# KiCad board Kimiro.kicad_pcb (continued)
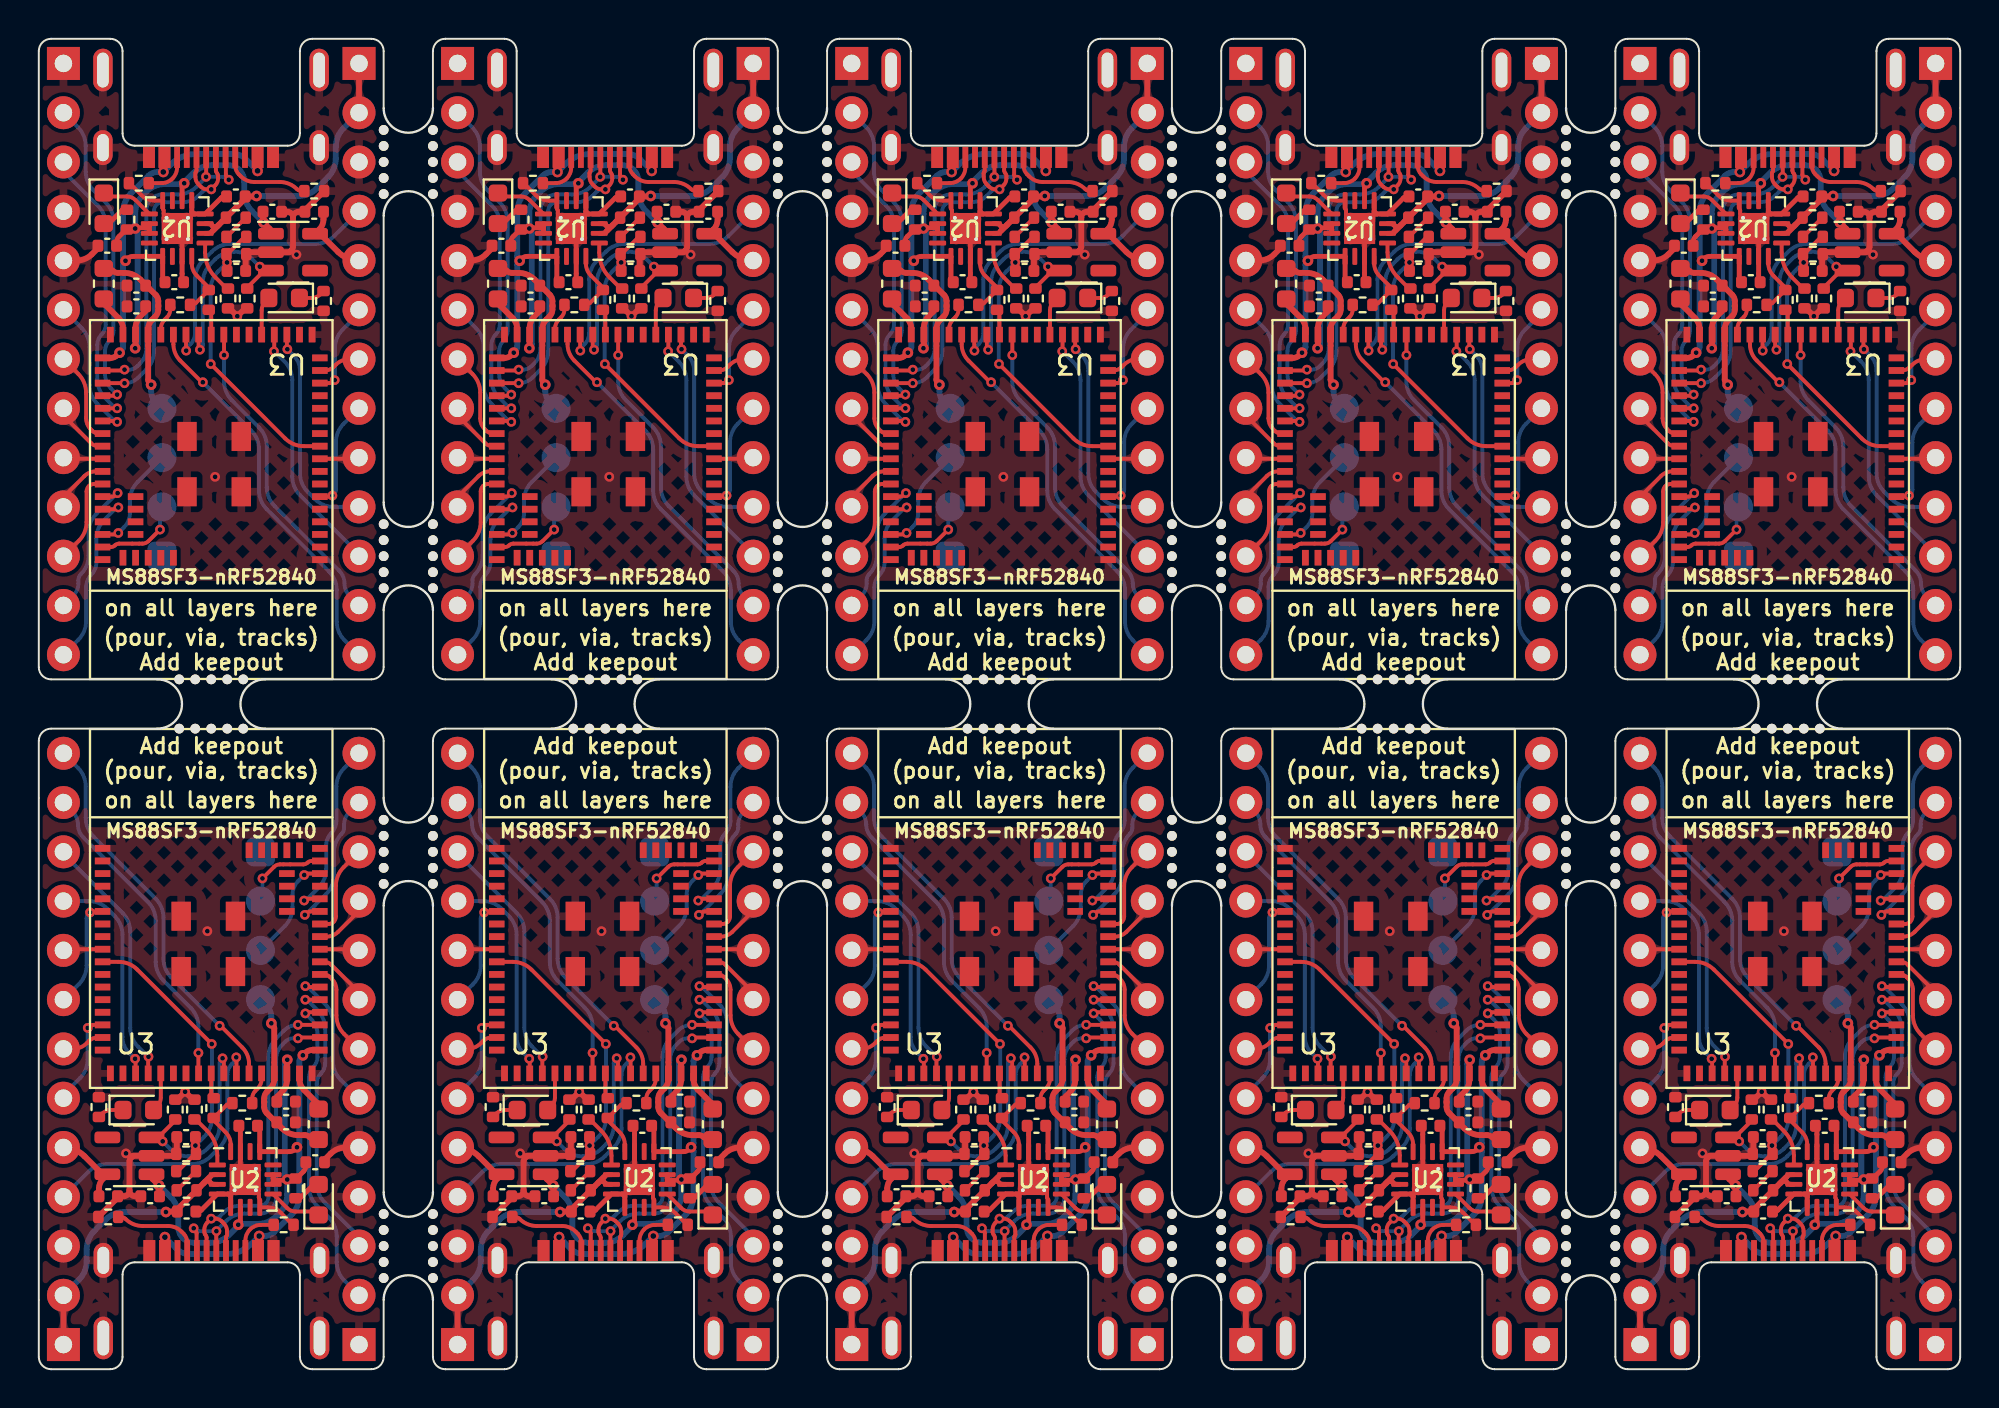
[diagram p0: board, top side]
## Routing (per net, layer and track width the routed paths; a pad name or vN(x,y) marks a point on that pad's centre or on a via; arc(x,y) is an arc through that point) (continued)

## Copper pours and planes (outline as drawn; the poured copper is in the pictures)
GND on Top, Bottom: 80.01,34.29 100.33,34.29 100.33,-1.27 80.01,-1.27
GND on Top, Bottom: -1.27,34.29 19.05,34.29 19.05,-1.27 -1.27,-1.27
GND on Top, Bottom: 80.01,34.29 59.69,34.29 59.69,69.85 80.01,69.85
GND on Top, Bottom: 19.05,34.29 -1.27,34.29 -1.27,69.85 19.05,69.85
GND on Top, Bottom: 59.69,34.29 80.01,34.29 80.01,-1.27 59.69,-1.27
GND on Top, Bottom: 19.05,34.29 39.37,34.29 39.37,-1.27 19.05,-1.27
GND on Top, Bottom: 39.37,34.29 19.05,34.29 19.05,69.85 39.37,69.85
GND on Top, Bottom: 100.33,34.29 80.01,34.29 80.01,69.85 100.33,69.85
GND on Top, Bottom: 39.37,34.29 59.69,34.29 59.69,-1.27 39.37,-1.27
GND on Top, Bottom: 59.69,34.29 39.37,34.29 39.37,69.85 59.69,69.85
VBAT on Top: 77.62,65.79 77.62,65.9 77.63,66.01 77.64,66.11 77.66,66.2 77.68,66.29 77.7,66.36 77.73,66.42 77.75,66.47 77.78,66.51 77.81,66.53 77.47,67.73 77.13,66.53 77.16,66.51 77.19,66.47 77.21,66.42 77.24,66.36 77.26,66.29 77.28,66.2 77.3,66.11 77.31,66.01 77.32,65.9 77.32,65.79
VBAT on Top: 16.66,65.79 16.66,65.9 16.67,66.01 16.68,66.11 16.7,66.2 16.72,66.29 16.74,66.36 16.77,66.42 16.79,66.47 16.82,66.51 16.85,66.53 16.51,67.73 16.17,66.53 16.2,66.51 16.23,66.47 16.25,66.42 16.28,66.36 16.3,66.29 16.32,66.2 16.34,66.11 16.35,66.01 16.36,65.9 16.36,65.79
VBAT on Top: 21.74,2.29 21.74,2.4 21.75,2.51 21.76,2.61 21.78,2.7 21.8,2.79 21.82,2.86 21.85,2.92 21.87,2.97 21.9,3.01 21.93,3.03 21.59,4.23 21.25,3.03 21.28,3.01 21.31,2.97 21.33,2.92 21.36,2.86 21.38,2.79 21.4,2.7 21.42,2.61 21.43,2.51 21.44,2.4 21.44,2.29
VBAT on Top: 82.4,2.79 82.4,2.68 82.39,2.57 82.38,2.47 82.36,2.38 82.34,2.29 82.32,2.22 82.29,2.16 82.27,2.11 82.24,2.07 82.21,2.05 82.55,0.84 82.89,2.05 82.86,2.07 82.83,2.11 82.81,2.16 82.78,2.22 82.76,2.29 82.74,2.38 82.72,2.47 82.71,2.57 82.7,2.68 82.7,2.79
VBAT on Top: 57.3,65.79 57.3,65.9 57.31,66.01 57.32,66.11 57.34,66.2 57.36,66.29 57.38,66.36 57.41,66.42 57.43,66.47 57.46,66.51 57.49,66.53 57.15,67.73 56.81,66.53 56.84,66.51 56.87,66.47 56.89,66.42 56.92,66.36 56.94,66.29 56.96,66.2 56.98,66.11 56.99,66.01 57,65.9 57,65.79
VBAT on Top: 77.32,66.29 77.32,66.18 77.31,66.07 77.3,65.97 77.28,65.88 77.26,65.79 77.24,65.72 77.21,65.66 77.19,65.61 77.16,65.57 77.13,65.55 77.47,64.34 77.81,65.55 77.78,65.57 77.75,65.61 77.73,65.66 77.7,65.72 77.68,65.79 77.66,65.88 77.64,65.97 77.63,66.07 77.62,66.18 77.62,66.29
VBAT on Top: 57,66.29 57,66.18 56.99,66.07 56.98,65.97 56.96,65.88 56.94,65.79 56.92,65.72 56.89,65.66 56.87,65.61 56.84,65.57 56.81,65.55 57.15,64.34 57.49,65.55 57.46,65.57 57.43,65.61 57.41,65.66 57.38,65.72 57.36,65.79 57.34,65.88 57.32,65.97 57.31,66.07 57.3,66.18 57.3,66.29
VBAT on Top: 21.44,2.79 21.44,2.68 21.43,2.57 21.42,2.47 21.4,2.38 21.38,2.29 21.36,2.22 21.33,2.16 21.31,2.11 21.28,2.07 21.25,2.05 21.59,0.84 21.93,2.05 21.9,2.07 21.87,2.11 21.85,2.16 21.82,2.22 21.8,2.29 21.78,2.38 21.76,2.47 21.75,2.57 21.74,2.68 21.74,2.79
VBAT on Top: 1.12,2.79 1.12,2.68 1.11,2.57 1.1,2.47 1.08,2.38 1.06,2.29 1.04,2.22 1.01,2.16 0.99,2.11 0.96,2.07 0.93,2.05 1.27,0.84 1.61,2.05 1.58,2.07 1.55,2.11 1.53,2.16 1.5,2.22 1.48,2.29 1.46,2.38 1.44,2.47 1.43,2.57 1.42,2.68 1.42,2.79
VBAT on Top: 42.06,2.29 42.06,2.4 42.07,2.51 42.08,2.61 42.1,2.7 42.12,2.79 42.14,2.86 42.17,2.92 42.19,2.97 42.22,3.01 42.25,3.03 41.91,4.23 41.57,3.03 41.6,3.01 41.63,2.97 41.65,2.92 41.68,2.86 41.7,2.79 41.72,2.7 41.74,2.61 41.75,2.51 41.76,2.4 41.76,2.29
VBAT on Top: 62.08,2.79 62.08,2.68 62.07,2.57 62.06,2.47 62.04,2.38 62.02,2.29 62,2.22 61.97,2.16 61.95,2.11 61.92,2.07 61.89,2.05 62.23,0.84 62.57,2.05 62.54,2.07 62.51,2.11 62.49,2.16 62.46,2.22 62.44,2.29 62.42,2.38 62.4,2.47 62.39,2.57 62.38,2.68 62.38,2.79
VBAT on Top: 36.68,66.29 36.68,66.18 36.67,66.07 36.66,65.97 36.64,65.88 36.62,65.79 36.6,65.72 36.57,65.66 36.55,65.61 36.52,65.57 36.49,65.55 36.83,64.34 37.17,65.55 37.14,65.57 37.11,65.61 37.09,65.66 37.06,65.72 37.04,65.79 37.02,65.88 37,65.97 36.99,66.07 36.98,66.18 36.98,66.29
VBAT on Top: 62.38,2.29 62.38,2.4 62.39,2.51 62.4,2.61 62.42,2.7 62.44,2.79 62.46,2.86 62.49,2.92 62.51,2.97 62.54,3.01 62.57,3.03 62.23,4.23 61.89,3.03 61.92,3.01 61.95,2.97 61.97,2.92 62,2.86 62.02,2.79 62.04,2.7 62.06,2.61 62.07,2.51 62.08,2.4 62.08,2.29
VBAT on Top: 82.7,2.29 82.7,2.4 82.71,2.51 82.72,2.61 82.74,2.7 82.76,2.79 82.78,2.86 82.81,2.92 82.83,2.97 82.86,3.01 82.89,3.03 82.55,4.23 82.21,3.03 82.24,3.01 82.27,2.97 82.29,2.92 82.32,2.86 82.34,2.79 82.36,2.7 82.38,2.61 82.39,2.51 82.4,2.4 82.4,2.29
VBAT on Top: 1.42,2.29 1.42,2.4 1.43,2.51 1.44,2.61 1.46,2.7 1.48,2.79 1.5,2.86 1.53,2.92 1.55,2.97 1.58,3.01 1.61,3.03 1.27,4.23 0.93,3.03 0.96,3.01 0.99,2.97 1.01,2.92 1.04,2.86 1.06,2.79 1.08,2.7 1.1,2.61 1.11,2.51 1.12,2.4 1.12,2.29
VBAT on Top: 36.98,65.79 36.98,65.9 36.99,66.01 37,66.11 37.02,66.2 37.04,66.29 37.06,66.36 37.09,66.42 37.11,66.47 37.14,66.51 37.17,66.53 36.83,67.73 36.49,66.53 36.52,66.51 36.55,66.47 36.57,66.42 36.6,66.36 36.62,66.29 36.64,66.2 36.66,66.11 36.67,66.01 36.68,65.9 36.68,65.79
VBAT on Top: 97.94,65.79 97.94,65.9 97.95,66.01 97.96,66.11 97.98,66.2 98,66.29 98.02,66.36 98.05,66.42 98.07,66.47 98.1,66.51 98.13,66.53 97.79,67.73 97.45,66.53 97.48,66.51 97.51,66.47 97.53,66.42 97.56,66.36 97.58,66.29 97.6,66.2 97.62,66.11 97.63,66.01 97.64,65.9 97.64,65.79
VBAT on Top: 41.76,2.79 41.76,2.68 41.75,2.57 41.74,2.47 41.72,2.38 41.7,2.29 41.68,2.22 41.65,2.16 41.63,2.11 41.6,2.07 41.57,2.05 41.91,0.84 42.25,2.05 42.22,2.07 42.19,2.11 42.17,2.16 42.14,2.22 42.12,2.29 42.1,2.38 42.08,2.47 42.07,2.57 42.06,2.68 42.06,2.79
VBAT on Top: 16.36,66.29 16.36,66.18 16.35,66.07 16.34,65.97 16.32,65.88 16.3,65.79 16.28,65.72 16.25,65.66 16.23,65.61 16.2,65.57 16.17,65.55 16.51,64.34 16.85,65.55 16.82,65.57 16.79,65.61 16.77,65.66 16.74,65.72 16.72,65.79 16.7,65.88 16.68,65.97 16.67,66.07 16.66,66.18 16.66,66.29
VBAT on Top: 97.64,66.29 97.64,66.18 97.63,66.07 97.62,65.97 97.6,65.88 97.58,65.79 97.56,65.72 97.53,65.66 97.51,65.61 97.48,65.57 97.45,65.55 97.79,64.34 98.13,65.55 98.1,65.57 98.07,65.61 98.05,65.66 98.02,65.72 98,65.79 97.98,65.88 97.96,65.97 97.95,66.07 97.94,66.18 97.94,66.29
VBAT on Bottom: 83.24,4.71 83.2,4.68 83.17,4.65 82.97,4.55 82.25,3.51 83.29,4.23 83.39,4.43 83.42,4.46 83.45,4.5
VBAT on Bottom: 97.1,63.87 97.14,63.9 97.17,63.93 97.37,64.03 98.09,65.07 97.05,64.35 96.95,64.15 96.92,64.12 96.89,64.08
VBAT on Bottom: 15.82,63.87 15.86,63.9 15.89,63.93 16.09,64.03 16.81,65.07 15.77,64.35 15.67,64.15 15.64,64.12 15.61,64.08
VBAT on Bottom: 76.78,63.87 76.82,63.9 76.85,63.93 77.05,64.03 77.77,65.07 76.73,64.35 76.63,64.15 76.6,64.12 76.57,64.08
VBAT on Bottom: 36.14,63.87 36.18,63.9 36.21,63.93 36.41,64.03 37.13,65.07 36.09,64.35 35.99,64.15 35.96,64.12 35.93,64.08
VBAT on Bottom: 42.6,4.71 42.56,4.68 42.53,4.65 42.33,4.55 41.61,3.51 42.65,4.23 42.75,4.43 42.78,4.46 42.81,4.5
VBAT on Bottom: 1.96,4.71 1.92,4.68 1.89,4.65 1.69,4.55 0.97,3.51 2.01,4.23 2.11,4.43 2.14,4.46 2.17,4.5
VBAT on Bottom: 22.28,4.71 22.24,4.68 22.21,4.65 22.01,4.55 21.29,3.51 22.33,4.23 22.43,4.43 22.46,4.46 22.49,4.5
VBAT on Bottom: 62.92,4.71 62.88,4.68 62.85,4.65 62.65,4.55 61.93,3.51 62.97,4.23 63.07,4.43 63.1,4.46 63.13,4.5
VBAT on Bottom: 56.46,63.87 56.5,63.9 56.53,63.93 56.73,64.03 57.45,65.07 56.41,64.35 56.31,64.15 56.28,64.12 56.25,64.08
002 on Top: 63.76,21.75 63.64,21.75 63.53,21.76 63.43,21.78 63.33,21.8 63.24,21.82 63.17,21.85 63.1,21.88 63.05,21.91 63.01,21.95 62.98,21.98 61.81,21.56 63.03,21.3 63.05,21.34 63.09,21.37 63.13,21.41 63.19,21.44 63.27,21.47 63.35,21.5 63.44,21.52 63.54,21.53 63.65,21.55 63.76,21.55
002 on Top: 23.12,21.75 23,21.75 22.89,21.76 22.79,21.78 22.69,21.8 22.6,21.82 22.53,21.85 22.46,21.88 22.41,21.91 22.37,21.95 22.34,21.98 21.17,21.56 22.39,21.3 22.41,21.34 22.45,21.37 22.49,21.41 22.55,21.44 22.63,21.47 22.71,21.5 22.8,21.52 22.9,21.53 23.01,21.55 23.12,21.55
002 on Top: 84.08,21.75 83.96,21.75 83.85,21.76 83.75,21.78 83.65,21.8 83.56,21.82 83.49,21.85 83.42,21.88 83.37,21.91 83.33,21.95 83.3,21.98 82.13,21.56 83.35,21.3 83.37,21.34 83.41,21.37 83.45,21.41 83.51,21.44 83.59,21.47 83.67,21.5 83.76,21.52 83.86,21.53 83.97,21.55 84.08,21.55
002 on Top: 75.94,46.83 76.06,46.83 76.17,46.82 76.27,46.8 76.37,46.78 76.46,46.76 76.53,46.73 76.6,46.7 76.65,46.67 76.69,46.63 76.72,46.6 77.89,47.02 76.67,47.28 76.65,47.24 76.61,47.21 76.57,47.17 76.51,47.14 76.43,47.11 76.35,47.08 76.26,47.06 76.16,47.05 76.05,47.03 75.94,47.03
002 on Top: 96.26,46.83 96.38,46.83 96.49,46.82 96.59,46.8 96.69,46.78 96.78,46.76 96.85,46.73 96.92,46.7 96.97,46.67 97.01,46.63 97.04,46.6 98.21,47.02 96.99,47.28 96.97,47.24 96.93,47.21 96.89,47.17 96.83,47.14 96.75,47.11 96.67,47.08 96.58,47.06 96.48,47.05 96.37,47.03 96.26,47.03
002 on Top: 14.98,46.83 15.1,46.83 15.21,46.82 15.31,46.8 15.41,46.78 15.5,46.76 15.57,46.73 15.64,46.7 15.69,46.67 15.73,46.63 15.76,46.6 16.93,47.02 15.71,47.28 15.69,47.24 15.65,47.21 15.61,47.17 15.55,47.14 15.47,47.11 15.39,47.08 15.3,47.06 15.2,47.05 15.09,47.03 14.98,47.03
002 on Top: 2.8,21.75 2.68,21.75 2.57,21.76 2.47,21.78 2.37,21.8 2.28,21.82 2.21,21.85 2.14,21.88 2.09,21.91 2.05,21.95 2.02,21.98 0.85,21.56 2.07,21.3 2.09,21.34 2.13,21.37 2.17,21.41 2.23,21.44 2.31,21.47 2.39,21.5 2.48,21.52 2.58,21.53 2.69,21.55 2.8,21.55
002 on Top: 35.3,46.83 35.42,46.83 35.53,46.82 35.63,46.8 35.73,46.78 35.82,46.76 35.89,46.73 35.96,46.7 36.01,46.67 36.05,46.63 36.08,46.6 37.25,47.02 36.03,47.28 36.01,47.24 35.97,47.21 35.93,47.17 35.87,47.14 35.79,47.11 35.71,47.08 35.62,47.06 35.52,47.05 35.41,47.03 35.3,47.03
002 on Top: 55.62,46.83 55.74,46.83 55.85,46.82 55.95,46.8 56.05,46.78 56.14,46.76 56.21,46.73 56.28,46.7 56.33,46.67 56.37,46.63 56.4,46.6 57.57,47.02 56.35,47.28 56.33,47.24 56.29,47.21 56.25,47.17 56.19,47.14 56.11,47.11 56.03,47.08 55.94,47.06 55.84,47.05 55.73,47.03 55.62,47.03
002 on Top: 43.44,21.75 43.32,21.75 43.21,21.76 43.11,21.78 43.01,21.8 42.92,21.82 42.85,21.85 42.78,21.88 42.73,21.91 42.69,21.95 42.66,21.98 41.49,21.56 42.71,21.3 42.73,21.34 42.77,21.37 42.81,21.41 42.87,21.44 42.95,21.47 43.03,21.5 43.12,21.52 43.22,21.53 43.33,21.55 43.44,21.55
003 on Bottom: 1.99,19.91 1.95,19.88 1.92,19.85 1.88,19.83 1.72,19.77 0.97,18.75 1.99,19.5 2.05,19.66 2.07,19.7 2.1,19.73 2.13,19.77
003 on Bottom: 83.27,19.91 83.23,19.88 83.2,19.85 83.16,19.83 83,19.77 82.25,18.75 83.27,19.5 83.33,19.66 83.35,19.7 83.38,19.73 83.41,19.77
003 on Bottom: 42.63,19.91 42.59,19.88 42.56,19.85 42.52,19.83 42.36,19.77 41.61,18.75 42.63,19.5 42.69,19.66 42.71,19.7 42.74,19.73 42.77,19.77
003 on Bottom: 36.11,48.67 36.15,48.7 36.18,48.73 36.22,48.75 36.38,48.81 37.13,49.83 36.11,49.08 36.05,48.92 36.03,48.88 36,48.85 35.97,48.81
003 on Bottom: 97.07,48.67 97.11,48.7 97.14,48.73 97.18,48.75 97.34,48.81 98.09,49.83 97.07,49.08 97.01,48.92 96.99,48.88 96.96,48.85 96.93,48.81
003 on Bottom: 56.43,48.67 56.47,48.7 56.5,48.73 56.54,48.75 56.7,48.81 57.45,49.83 56.43,49.08 56.37,48.92 56.35,48.88 56.32,48.85 56.29,48.81
003 on Bottom: 62.95,19.91 62.91,19.88 62.88,19.85 62.84,19.83 62.68,19.77 61.93,18.75 62.95,19.5 63.01,19.66 63.03,19.7 63.06,19.73 63.09,19.77
003 on Bottom: 22.31,19.91 22.27,19.88 22.24,19.85 22.2,19.83 22.04,19.77 21.29,18.75 22.31,19.5 22.37,19.66 22.39,19.7 22.42,19.73 22.45,19.77
003 on Bottom: 15.79,48.67 15.83,48.7 15.86,48.73 15.9,48.75 16.06,48.81 16.81,49.83 15.79,49.08 15.73,48.92 15.71,48.88 15.68,48.85 15.65,48.81
003 on Bottom: 76.75,48.67 76.79,48.7 76.82,48.73 76.86,48.75 77.02,48.81 77.77,49.83 76.75,49.08 76.69,48.92 76.67,48.88 76.64,48.85 76.61,48.81
005 on Bottom: 42.69,15.06 42.62,15.01 42.56,14.95 42.5,14.91 42.43,14.87 42.38,14.84 42.32,14.81 42.27,14.79 42.23,14.78 42.2,14.78 42.17,14.78 41.66,13.63 42.61,14.46 42.6,14.48 42.6,14.51 42.6,14.55 42.62,14.59 42.64,14.64 42.66,14.69 42.69,14.75 42.73,14.81 42.78,14.87 42.83,14.92
005 on Bottom: 56.37,53.52 56.44,53.57 56.5,53.63 56.56,53.67 56.63,53.71 56.68,53.74 56.74,53.77 56.79,53.79 56.83,53.8 56.86,53.8 56.89,53.8 57.4,54.95 56.45,54.12 56.46,54.1 56.46,54.07 56.46,54.03 56.44,53.99 56.42,53.94 56.4,53.89 56.37,53.83 56.33,53.77 56.28,53.71 56.23,53.66
005 on Bottom: 63.01,15.06 62.94,15.01 62.88,14.95 62.82,14.91 62.75,14.87 62.7,14.84 62.64,14.81 62.59,14.79 62.55,14.78 62.52,14.78 62.49,14.78 61.98,13.63 62.93,14.46 62.92,14.48 62.92,14.51 62.92,14.55 62.94,14.59 62.96,14.64 62.98,14.69 63.01,14.75 63.05,14.81 63.1,14.87 63.15,14.92
005 on Bottom: 76.69,53.52 76.76,53.57 76.82,53.63 76.88,53.67 76.95,53.71 77,53.74 77.06,53.77 77.11,53.79 77.15,53.8 77.18,53.8 77.21,53.8 77.72,54.95 76.77,54.12 76.78,54.1 76.78,54.07 76.78,54.03 76.76,53.99 76.74,53.94 76.72,53.89 76.69,53.83 76.65,53.77 76.6,53.71 76.55,53.66
005 on Bottom: 15.73,53.52 15.8,53.57 15.86,53.63 15.92,53.67 15.99,53.71 16.04,53.74 16.1,53.77 16.15,53.79 16.19,53.8 16.22,53.8 16.25,53.8 16.76,54.95 15.81,54.12 15.82,54.1 15.82,54.07 15.82,54.03 15.8,53.99 15.78,53.94 15.76,53.89 15.73,53.83 15.69,53.77 15.64,53.71 15.59,53.66
005 on Bottom: 83.33,15.06 83.26,15.01 83.2,14.95 83.14,14.91 83.07,14.87 83.02,14.84 82.96,14.81 82.91,14.79 82.87,14.78 82.84,14.78 82.81,14.78 82.3,13.63 83.25,14.46 83.24,14.48 83.24,14.51 83.24,14.55 83.26,14.59 83.28,14.64 83.3,14.69 83.33,14.75 83.37,14.81 83.42,14.87 83.47,14.92
005 on Bottom: 2.05,15.06 1.98,15.01 1.92,14.95 1.86,14.91 1.79,14.87 1.74,14.84 1.68,14.81 1.63,14.79 1.59,14.78 1.56,14.78 1.53,14.78 1.02,13.63 1.97,14.46 1.96,14.48 1.96,14.51 1.96,14.55 1.98,14.59 2,14.64 2.02,14.69 2.05,14.75 2.09,14.81 2.14,14.87 2.19,14.92
005 on Bottom: 36.05,53.52 36.12,53.57 36.18,53.63 36.24,53.67 36.31,53.71 36.36,53.74 36.42,53.77 36.47,53.79 36.51,53.8 36.54,53.8 36.57,53.8 37.08,54.95 36.13,54.12 36.14,54.1 36.14,54.07 36.14,54.03 36.12,53.99 36.1,53.94 36.08,53.89 36.05,53.83 36.01,53.77 35.96,53.71 35.91,53.66
005 on Bottom: 97.01,53.52 97.08,53.57 97.14,53.63 97.2,53.67 97.27,53.71 97.32,53.74 97.38,53.77 97.43,53.79 97.47,53.8 97.5,53.8 97.53,53.8 98.04,54.95 97.09,54.12 97.1,54.1 97.1,54.07 97.1,54.03 97.08,53.99 97.06,53.94 97.04,53.89 97.01,53.83 96.97,53.77 96.92,53.71 96.87,53.66
005 on Bottom: 22.37,15.06 22.3,15.01 22.24,14.95 22.18,14.91 22.11,14.87 22.06,14.84 22,14.81 21.95,14.79 21.91,14.78 21.88,14.78 21.85,14.78 21.34,13.63 22.29,14.46 22.28,14.48 22.28,14.51 22.28,14.55 22.3,14.59 22.32,14.64 22.34,14.69 22.37,14.75 22.41,14.81 22.46,14.87 22.51,14.92
013 on Bottom: 63.1,61.03 63.03,61.1 62.97,61.17 62.92,61.25 62.88,61.32 62.85,61.39 62.83,61.45 62.81,61.51 62.81,61.56 62.82,61.6 62.83,61.63 62.07,62.62 62.2,61.38 62.25,61.37 62.31,61.36 62.37,61.33 62.44,61.3 62.51,61.25 62.6,61.2 62.68,61.13 62.77,61.06 62.86,60.98 62.96,60.89
013 on Bottom: 83.42,61.03 83.35,61.1 83.29,61.17 83.24,61.25 83.2,61.32 83.17,61.39 83.15,61.45 83.13,61.51 83.13,61.56 83.14,61.6 83.15,61.63 82.39,62.62 82.52,61.38 82.57,61.37 82.63,61.36 82.69,61.33 82.76,61.3 82.83,61.25 82.92,61.2 83,61.13 83.09,61.06 83.18,60.98 83.28,60.89
013 on Bottom: 96.92,7.55 96.99,7.48 97.05,7.41 97.1,7.33 97.14,7.26 97.17,7.19 97.19,7.13 97.21,7.07 97.21,7.02 97.2,6.98 97.19,6.95 97.95,5.96 97.82,7.2 97.77,7.21 97.71,7.22 97.65,7.25 97.58,7.28 97.51,7.33 97.42,7.38 97.34,7.45 97.25,7.52 97.16,7.6 97.06,7.69
013 on Bottom: 15.64,7.55 15.71,7.48 15.77,7.41 15.82,7.33 15.86,7.26 15.89,7.19 15.91,7.13 15.93,7.07 15.93,7.02 15.92,6.98 15.91,6.95 16.67,5.96 16.54,7.2 16.49,7.21 16.43,7.22 16.37,7.25 16.3,7.28 16.23,7.33 16.14,7.38 16.06,7.45 15.97,7.52 15.88,7.6 15.78,7.69
013 on Bottom: 2.14,61.03 2.07,61.1 2.01,61.17 1.96,61.25 1.92,61.32 1.89,61.39 1.87,61.45 1.85,61.51 1.85,61.56 1.86,61.6 1.87,61.63 1.11,62.62 1.24,61.38 1.29,61.37 1.35,61.36 1.41,61.33 1.48,61.3 1.55,61.25 1.64,61.2 1.72,61.13 1.81,61.06 1.9,60.98 2,60.89
013 on Bottom: 22.46,61.03 22.39,61.1 22.33,61.17 22.28,61.25 22.24,61.32 22.21,61.39 22.19,61.45 22.17,61.51 22.17,61.56 22.18,61.6 22.19,61.63 21.43,62.62 21.56,61.38 21.61,61.37 21.67,61.36 21.73,61.33 21.8,61.3 21.87,61.25 21.96,61.2 22.04,61.13 22.13,61.06 22.22,60.98 22.32,60.89
013 on Bottom: 76.6,7.55 76.67,7.48 76.73,7.41 76.78,7.33 76.82,7.26 76.85,7.19 76.87,7.13 76.89,7.07 76.89,7.02 76.88,6.98 76.87,6.95 77.63,5.96 77.5,7.2 77.45,7.21 77.39,7.22 77.33,7.25 77.26,7.28 77.19,7.33 77.1,7.38 77.02,7.45 76.93,7.52 76.84,7.6 76.74,7.69
013 on Bottom: 35.96,7.55 36.03,7.48 36.09,7.41 36.14,7.33 36.18,7.26 36.21,7.19 36.23,7.13 36.25,7.07 36.25,7.02 36.24,6.98 36.23,6.95 36.99,5.96 36.86,7.2 36.81,7.21 36.75,7.22 36.69,7.25 36.62,7.28 36.55,7.33 36.46,7.38 36.38,7.45 36.29,7.52 36.2,7.6 36.1,7.69
013 on Bottom: 42.78,61.03 42.71,61.1 42.65,61.17 42.6,61.25 42.56,61.32 42.53,61.39 42.51,61.45 42.49,61.51 42.49,61.56 42.5,61.6 42.51,61.63 41.75,62.62 41.88,61.38 41.93,61.37 41.99,61.36 42.05,61.33 42.12,61.3 42.19,61.25 42.28,61.2 42.36,61.13 42.45,61.06 42.54,60.98 42.64,60.89
013 on Bottom: 56.28,7.55 56.35,7.48 56.41,7.41 56.46,7.33 56.5,7.26 56.53,7.19 56.55,7.13 56.57,7.07 56.57,7.02 56.56,6.98 56.55,6.95 57.31,5.96 57.18,7.2 57.13,7.21 57.07,7.22 57.01,7.25 56.94,7.28 56.87,7.33 56.78,7.38 56.7,7.45 56.61,7.52 56.52,7.6 56.42,7.69
015 on Bottom: 42.92,53.74 42.86,53.8 42.82,53.86 42.77,53.92 42.74,53.98 42.71,54.04 42.69,54.09 42.68,54.14 42.67,54.18 42.67,54.21 42.67,54.23 41.61,54.91 42.29,53.85 42.31,53.85 42.34,53.85 42.38,53.84 42.43,53.83 42.48,53.81 42.54,53.78 42.6,53.75 42.66,53.7 42.72,53.66 42.78,53.6
015 on Bottom: 2.28,53.74 2.22,53.8 2.18,53.86 2.13,53.92 2.1,53.98 2.07,54.04 2.05,54.09 2.04,54.14 2.03,54.18 2.03,54.21 2.03,54.23 0.97,54.91 1.65,53.85 1.67,53.85 1.7,53.85 1.74,53.84 1.79,53.83 1.84,53.81 1.9,53.78 1.96,53.75 2.02,53.7 2.08,53.66 2.14,53.6
015 on Bottom: 56.14,14.84 56.2,14.78 56.24,14.72 56.29,14.66 56.32,14.6 56.35,14.54 56.37,14.49 56.38,14.44 56.39,14.4 56.39,14.37 56.39,14.35 57.45,13.67 56.77,14.73 56.75,14.73 56.72,14.73 56.68,14.74 56.63,14.75 56.58,14.77 56.52,14.8 56.46,14.83 56.4,14.88 56.34,14.92 56.28,14.98
015 on Bottom: 83.56,53.74 83.5,53.8 83.46,53.86 83.41,53.92 83.38,53.98 83.35,54.04 83.33,54.09 83.32,54.14 83.31,54.18 83.31,54.21 83.31,54.23 82.25,54.91 82.93,53.85 82.95,53.85 82.98,53.85 83.02,53.84 83.07,53.83 83.12,53.81 83.18,53.78 83.24,53.75 83.3,53.7 83.36,53.66 83.42,53.6
015 on Bottom: 76.46,14.84 76.52,14.78 76.56,14.72 76.61,14.66 76.64,14.6 76.67,14.54 76.69,14.49 76.7,14.44 76.71,14.4 76.71,14.37 76.71,14.35 77.77,13.67 77.09,14.73 77.07,14.73 77.04,14.73 77,14.74 76.95,14.75 76.9,14.77 76.84,14.8 76.78,14.83 76.72,14.88 76.66,14.92 76.6,14.98
015 on Bottom: 15.5,14.84 15.56,14.78 15.6,14.72 15.65,14.66 15.68,14.6 15.71,14.54 15.73,14.49 15.74,14.44 15.75,14.4 15.75,14.37 15.75,14.35 16.81,13.67 16.13,14.73 16.11,14.73 16.08,14.73 16.04,14.74 15.99,14.75 15.94,14.77 15.88,14.8 15.82,14.83 15.76,14.88 15.7,14.92 15.64,14.98
015 on Bottom: 96.78,14.84 96.84,14.78 96.88,14.72 96.93,14.66 96.96,14.6 96.99,14.54 97.01,14.49 97.02,14.44 97.03,14.4 97.03,14.37 97.03,14.35 98.09,13.67 97.41,14.73 97.39,14.73 97.36,14.73 97.32,14.74 97.27,14.75 97.22,14.77 97.16,14.8 97.1,14.83 97.04,14.88 96.98,14.92 96.92,14.98
015 on Bottom: 63.24,53.74 63.18,53.8 63.14,53.86 63.09,53.92 63.06,53.98 63.03,54.04 63.01,54.09 63,54.14 62.99,54.18 62.99,54.21 62.99,54.23 61.93,54.91 62.61,53.85 62.63,53.85 62.66,53.85 62.7,53.84 62.75,53.83 62.8,53.81 62.86,53.78 62.92,53.75 62.98,53.7 63.04,53.66 63.1,53.6
015 on Bottom: 35.82,14.84 35.88,14.78 35.92,14.72 35.97,14.66 36,14.6 36.03,14.54 36.05,14.49 36.06,14.44 36.07,14.4 36.07,14.37 36.07,14.35 37.13,13.67 36.45,14.73 36.43,14.73 36.4,14.73 36.36,14.74 36.31,14.75 36.26,14.77 36.2,14.8 36.14,14.83 36.08,14.88 36.02,14.92 35.96,14.98
015 on Bottom: 22.6,53.74 22.54,53.8 22.5,53.86 22.45,53.92 22.42,53.98 22.39,54.04 22.37,54.09 22.36,54.14 22.35,54.18 22.35,54.21 22.35,54.23 21.29,54.91 21.97,53.85 21.99,53.85 22.02,53.85 22.06,53.84 22.11,53.83 22.16,53.81 22.22,53.78 22.28,53.75 22.34,53.7 22.4,53.66 22.46,53.6